# KiCad board default.kicad_pcb (continued)
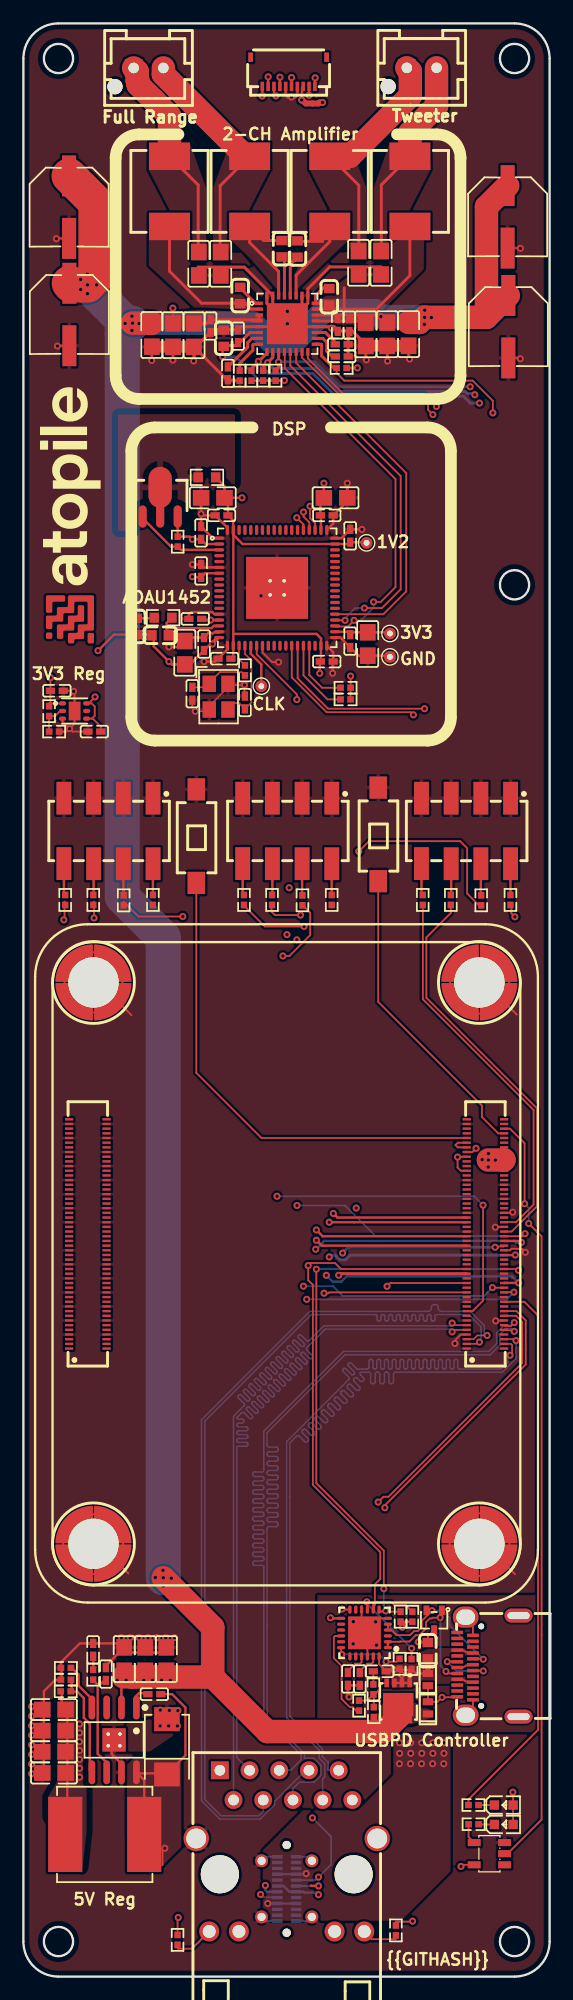
[diagram p0: board, top side]
## Routing (per net, layer and track width the routed paths; a pad name or vN(x,y) marks a point on that pad's centre or on a via; arc(x,y) is an arc through that point) (continued)
amp_i2s_sck: length 31
  Top w0.15: v1(27.51,115.96) 26.68,115.96 26.65,115.98 ; v1(29.16,117.01) 30.65,117.01 32.26,118.62 32.26,128.3 22.82,137.74 U1.13
  Bottom w0.15: v1(29.16,117.01) 28.36,117.01 27.51,116.16 v1(27.51,115.96)
amp_i2s_sd: length 31.3
  Top w0.15: 26.65,116.48 30.78,116.48 32.74,118.44 32.74,128.55 23.32,137.97 U1.14
amp_i2s_ws: length 30.9
  Top w0.15: v1(28.28,115.96) 27.75,115.43 26.7,115.43 26.65,115.48 ; U1.12 22.35,138.88 22.35,137.51 31.82,128.04 31.82,118.8 30.56,117.53 v1(29.95,117.53)
  Bottom w0.15: v1(28.28,115.96) 28.86,115.96 29.95,117.05 v1(29.95,117.53)
amp_mute: length 113.5
  Top w0.15: CN1.78 41.04,62.43 40.53,62.43 40.53,62.36 v1(40.34,62.36)
  Top w0.25: U1.10 21.32,138.43 21.04,138.15 ; 21.04,138.15 21.04,138.14 v1(20.88,137.98) ; 21.04,138.15 20.54,137.65 20.54,137.32
  In2.Cu w0.25: v1(38.6,135.24) 38.43,135.07 38.43,108.16 27.08,96.81 27.08,66.55 27.48,66.15 27.48,62.05 v1(27.3,61.86)
  Bottom w0.25: v1(27.3,61.86) 27.8,62.36 40.33,62.36 v1(40.34,62.36) ; v1(20.88,137.98) 21.38,137.48 24.9,137.48 26.85,135.53 37.79,135.53 37.96,135.35 38.44,135.35 38.47,135.38 v1(38.6,135.24)
amp_pdn: length 107.6
  Top w0.15: CN1.15 31.38,59.3 v1(31.1,59.03) ; R4.1 26.78,137.11 27.44,136.46 38.42,136.46 40.15,134.73 v1(40.15,133.7)
  Top w0.25: 26.57,137.51 25.5,138.57 25.5,139.53 25.47,139.57 U1.17 25.32,139.57
  In2.Cu w0.15: v1(31.1,59.03) 29.44,59.03 29.01,59.46 29.01,66.63 28.48,67.16 28.48,94.45 29.21,95.17 29.21,96.96 39.89,107.64 39.89,133.44 v1(40.15,133.7)
amp_warn: length 116
  Top w0.15: CN1.80 v1(42.07,61.7)
  Top w0.25: 21.82,138.06 v1(21.83,138.06) ; 21.82,138.06 U1.11 ; 21.82,138.06 21.82,137.62 21.57,137.37 21.57,137.33 21.59,137.32
  In2.Cu w0.25: v1(26.15,61.53) 27.08,62.46 27.08,65.98 26.68,66.38 26.68,96.98 38.03,108.33 38.03,135.76 v1(38.2,135.93)
  Bottom w0.25: v1(21.83,138.06) 24.89,138.06 27.02,135.93 v1(38.2,135.93) ; v1(26.15,61.53) 26.3,61.68 26.72,61.68 26.72,61.62 27.06,61.29 27.54,61.29 27.87,61.62 27.87,61.68 42.06,61.68 42.07,61.67 v1(42.07,61.7)
B5: length 45.6
  Top w0.15: v1(39.33,27.13) 39.29,27.18 USB1.B5 ; U20.5 U20.4 31.47,29.63 31.9,29.2 33.06,29.2 33.4,29.54 33.72,29.54 34.08,29.9 34.08,30.43 v1(34.94,31.29)
  In1.Cu w0.15: v1(39.33,27.13) 37.69,25.49 35.96,25.49 31.34,20.88 31.34,16.49 28.61,13.76 26.54,13.76 22.03,9.25 22.03,7.47 21.59,7.03 v1(20.28,7.03)
  Bottom w0.15: v1(39.33,27.13) 36.45,30.01 36.45,30.69 35.85,31.29 v1(34.94,31.29) ; v1(20.28,7.03) 20.53,6.78 21.68,6.78 U23.B5
BOOT: length 2.1
  Top w0.2: 9.56,23.1 9.56,23.92 9.88,24.23 10.68,24.23
boot_mode: length 26.3
  Top w0.15: CN1.54 40.61,72.1 39.21,73.5 39.21,74.47 30.34,83.34 SW1.1
bootstrap_capacitor-cathode: length 19.1
  Top w0.15: 11.89,9.53 11.89,10.78 v1(12.09,10.98)
  Top w0.2: D3.1 12.27,17.33 13.85,18.91 13.85,23.01 12.71,24.15 C20.2 ; 12.42,17.37 9.76,17.37 9.56,17.56 10.33,16.79 10.33,12.23
BST_Aneg_N: length 3.4
  Top w0.25: U1.29 22.32,146.79 C5.1
BST_Apos_P: length 2.2
  Top w0.25: U1.1 19.84,143.07 18.54,144.37 C6.1
BST_Bneg_N: length 3.5
  Top w0.25: C9.1 22.82,146.4 U1.28
BST_Bpos_P: length 2.1
  Top w0.25: U1.24 24.98,143.52 ; 24.98,143.52 24.98,143.66 ; 24.98,143.52 24.98,143.72 25.65,144.38 26.04,144.38
c1-net: length 1.5
  Top w0.2: R23.2 11.15,116.14 C50.1
CLKOUT: length 3.8
  Top w0.2: U24.23 19.45,113.1 20.35,112.2 TP1.1
cm5-anode-0: length 3.3
  Top w0.15: 13.19,2.39 14.42,2.39 RJ1.11
cm5-anode-1: length 3
  Top w0.15: RJ1.14 29.81,3.2 31.85,3.2
cm5-cathode: length 1.4
  Top w0.15: R7.1 38.95,13.01 D2.1
cm5-net: length 23.3
  In2.Cu w0.15: 16.8,8.75 16.97,8.58 16.97,3.29 18.41,1.85 26.51,1.85 28.07,3.41 28.07,8.58 28.24,8.75
COMP: length 9
  Top w0.2: 6.35,24.95 5.98,25.33 ; 6.35,24.95 6.35,19.06 7.02,18.39 7.02,17.56 ; 6.35,24.95 6.55,24.95 6.98,25.38
compensation_capacitors[0]-net: length 1.1
  Top w0.2: 5.98,26.19 5.98,27.28 5.95,27.31
connector-net: length 12.1
  In2.Cu w0.15: 22.52,3.75 20.62,3.75 19.59,4.78 19.59,10.22 20.62,11.25 22.52,11.25
debug_headers[0]-_2: length 2.7
  Top w0.2: R11.2 41.65,95.14 HDR1.2
debug_headers[0]-_4: length 2.7
  Top w0.2: R12.2 39.12,92.48 HDR1.4
debug_headers[0]-_6: length 2.7
  Top w0.2: R25.2 36.58,92.51 HDR1.6
debug_headers[0]-_8: length 2.7
  Top w0.2: R26.2 34.04,92.59 HDR1.8
debug_headers[1]-_2: length 2.7
  Top w0.2: R27.2 26.36,95.14 HDR2.2
debug_headers[1]-_4: length 2.7
  Top w0.2: R28.2 23.83,92.48 HDR2.4
debug_headers[1]-_6: length 2.7
  Top w0.2: R29.2 21.29,92.51 HDR2.6
debug_headers[1]-_8: length 2.7
  Top w0.2: HDR2.8 18.75,92.59 R30.2
debug_headers[2]-_2: length 2.7
  Top w0.2: HDR3.2 11.08,95.14 R31.2
debug_headers[2]-_4: length 2.7
  Top w0.2: R32.2 8.55,92.48 HDR3.4
debug_headers[2]-_6: length 2.7
  Top w0.2: R33.2 6.01,92.51 HDR3.6
debug_headers[2]-_8: length 2.7
  Top w0.2: R34.2 3.47,92.59 HDR3.8
DISCH: length 7.2
  Top w0.15: U20.9 29.42,32 v1(29.37,32.05) ; R14.2 33.19,28.07 v1(33.2,28.07)
  Bottom w0.15: v1(29.37,32.05) 29.37,31.9 33.2,28.07 v1(33.2,28.07)
dsp-net: length 3.6
  In1.Cu w0.15: 22.3,119.34 21.1,119.34 21.1,118.14 22.3,118.14
dsp_reset_disable: length 80.4
  Top w0.15: v1(40.11,58.91) 40.12,58.9 CN1.87 ; 19.95,113.78 19.95,113.06 23.38,109.63 v1(23.38,109.19)
  In2.Cu w0.15: v1(23.95,59.03) 24.75,58.23 24.75,57.69 24.44,57.38 24.01,57.38 22.27,59.12 22.27,67.9 22.72,68.35 22.72,87.57 21.71,88.57 21.71,93.83 22.66,94.78 22.66,98.58 23.61,99.53 23.61,108.97 v1(23.38,109.19)
  Bottom w0.15: v1(40.11,58.91) 39.41,58.21 27.31,58.21 26.49,59.03 v1(23.95,59.03)
ETH_LED_LINK: length 68.8
  Top w0.15: CN1.93 42.14,56.5 42.66,55.98 42.66,52.47 31.22,41.03 30.79,41.03 v1(30.34,40.57)
  In2.Cu w0.15: v1(30.34,40.57) 24.87,35.11 24.87,21.95 27.95,18.87 27.95,17.23 27.37,16.65 27.37,16.29 26.58,15.5 26.58,15.51 26.58,14.69 24.45,12.57 21,12.57 18.8,10.37 18.8,4.23 RJ1.12
ETH_LED_SPEED: length 64.8
  Top w0.15: v1(30.91,40.09) 30.91,40.29 42.96,52.34 42.96,56.11 42.16,56.9 CN1.92
  In2.Cu w0.15: RJ1.13 25.76,4.71 25.76,13.45 26.88,14.57 26.88,15.37 27.67,16.16 27.67,16.53 28.25,17.11 28.25,19 25.17,22.07 25.17,34.98 29.78,39.59 30.41,39.59 v1(30.91,40.09)
ETH_P0_N: length 79.6
  Top w0.13: v1(36.66,55.13) 36.84,55.3 CN1.5
  Bottom w0.13: 36.57,55.36 25.82,55.36 24.23,53.77 arc(24.19,53.68) 24.23,53.58 24.71,53.1 arc(24.75,53.01) 24.71,52.91 24.66,52.87 arc(24.57,52.83) 24.48,52.87 23.99,53.35 arc(23.9,53.39) 23.81,53.35 23.76,53.3 arc(23.72,53.21) 23.76,53.12 24.24,52.63 arc(24.28,52.54) 24.24,52.45 24.2,52.4 arc(24.1,52.36) 24.01,52.4 23.53,52.88 arc(23.43,52.92) 23.34,52.88 23.29,52.84 arc(23.26,52.74) 23.29,52.65 23.78,52.17 arc(23.81,52.07) 23.78,51.98 23.73,51.93 arc(23.64,51.89) 23.54,51.93 23.06,52.42 arc(22.97,52.45) 22.87,52.42 22.83,52.37 arc(22.79,52.28) 22.83,52.18 23.31,51.7 arc(23.35,51.61) 23.31,51.51 23.26,51.47 arc(23.17,51.43) 23.08,51.47 22.59,51.95 arc(22.5,51.99) 22.41,51.95 22.36,51.9 arc(22.32,51.81) 22.36,51.72 22.84,51.23 arc(22.88,51.14) 22.84,51.05 22.8,51 arc(22.7,50.96) 22.61,51 22.13,51.48 arc(22.03,51.52) 21.94,51.48 21.89,51.44 arc(21.86,51.34) 21.89,51.25 22.38,50.77 arc(22.41,50.67) 22.38,50.58 22.33,50.53 arc(22.24,50.49) 22.14,50.53 21.66,51.02 arc(21.57,51.05) 21.47,51.02 21.43,50.97 arc(21.39,50.88) 21.43,50.78 21.91,50.3 arc(21.95,50.21) 21.91,50.11 21.86,50.07 arc(21.77,50.03) 21.68,50.07 21.19,50.55 arc(21.1,50.59) 21.01,50.55 20.96,50.5 arc(20.92,50.41) 20.96,50.32 21.44,49.83 arc(21.48,49.74) 21.44,49.65 21.4,49.6 arc(21.3,49.56) 21.21,49.6 20.73,50.08 arc(20.63,50.12) 20.54,50.08 20.49,50.04 arc(20.45,49.94) 20.49,49.85 20.98,49.37 arc(21.01,49.27) 20.98,49.18 20.93,49.13 arc(20.84,49.09) 20.74,49.13 20.26,49.62 arc(20.17,49.65) 20.07,49.62 20.03,49.57 arc(19.99,49.48) 20.03,49.38 20.51,48.9 arc(20.55,48.81) 20.51,48.71 20.46,48.67 arc(20.37,48.63) 20.28,48.67 19.79,49.15 arc(19.7,49.19) 19.61,49.15 19.56,49.1 arc(19.52,49.01) 19.56,48.92 20.04,48.43 arc(20.08,48.34) 20.04,48.25 20,48.2 arc(19.9,48.16) 19.81,48.2 19.33,48.68 arc(19.23,48.72) 19.14,48.68 19.09,48.64 arc(19.05,48.54) 19.09,48.45 19.58,47.97 arc(19.61,47.87) 19.58,47.78 19.53,47.73 arc(19.44,47.69) 19.34,47.73 18.86,48.22 arc(18.77,48.25) 18.67,48.22 18.25,47.79 arc(18.29,47.7) 18.38,47.66 18.71,47.66 arc(18.81,47.62) 18.85,47.53 18.85,47.46 arc(18.81,47.37) 18.71,47.33 18.38,47.33 arc(18.29,47.29) 18.25,47.2 18.25,47.13 arc(18.29,47.04) 18.38,47 19.06,47 arc(19.16,46.96) 19.2,46.87 19.2,46.8 arc(19.16,46.71) 19.06,46.67 18.38,46.67 arc(18.29,46.63) 18.25,46.54 18.25,46.47 arc(18.29,46.38) 18.38,46.34 19.06,46.34 arc(19.16,46.3) 19.2,46.21 19.2,46.14 arc(19.16,46.05) 19.06,46.01 18.38,46.01 arc(18.29,45.97) 18.25,45.88 18.25,45.81 arc(18.29,45.72) 18.38,45.68 19.06,45.68 arc(19.16,45.64) 19.2,45.55 19.2,45.48 arc(19.16,45.39) 19.06,45.35 18.38,45.35 arc(18.29,45.31) 18.25,45.22 18.25,18.73 RJ1.P3 ; 36.57,55.36 36.66,55.27 v1(36.66,55.13) ; 36.57,55.36 36.62,55.36
ETH_P0_P: length 76.5
  Top w0.13: v1(36.67,55.88) 36.84,55.7 CN1.6
  Bottom w0.13: v1(36.67,55.88) 36.67,55.69 36.62,55.64 25.7,55.64 24.43,54.36 arc(24.33,54.32) 24.24,54.36 23.75,54.85 arc(23.66,54.89) 23.56,54.85 23.52,54.81 arc(23.48,54.71) 23.52,54.62 24.01,54.13 arc(24.04,54.04) 24.01,53.94 23.96,53.9 arc(23.87,53.86) 23.77,53.9 23.28,54.39 arc(23.19,54.42) 23.1,54.39 23.05,54.34 arc(23.01,54.25) 23.05,54.15 23.54,53.66 arc(23.58,53.57) 23.54,53.48 23.49,53.43 arc(23.4,53.39) 23.31,53.43 22.82,53.92 arc(22.72,53.96) 22.63,53.92 22.58,53.87 arc(22.54,53.78) 22.58,53.69 23.07,53.2 arc(23.11,53.1) 23.07,53.01 23.03,52.96 arc(22.93,52.92) 22.84,52.96 22.35,53.45 arc(22.26,53.49) 22.16,53.45 22.12,53.41 arc(22.08,53.31) 22.12,53.22 22.61,52.73 arc(22.64,52.64) 22.61,52.54 22.56,52.5 arc(22.46,52.46) 22.37,52.5 21.88,52.99 arc(21.79,53.02) 21.7,52.99 21.65,52.94 arc(21.61,52.85) 21.65,52.75 22.14,52.26 arc(22.18,52.17) 22.14,52.08 22.09,52.03 arc(22,51.99) 21.9,52.03 21.42,52.52 arc(21.32,52.56) 21.23,52.52 21.18,52.47 arc(21.14,52.38) 21.18,52.29 21.67,51.8 arc(21.71,51.7) 21.67,51.61 21.62,51.56 arc(21.53,51.52) 21.44,51.56 20.95,52.05 arc(20.86,52.09) 20.76,52.05 20.72,52.01 arc(20.68,51.91) 20.72,51.82 21.2,51.33 arc(21.24,51.24) 21.2,51.14 21.16,51.1 arc(21.06,51.06) 20.97,51.1 20.48,51.59 arc(20.39,51.62) 20.3,51.59 20.25,51.54 arc(20.21,51.45) 20.25,51.35 20.74,50.86 arc(20.78,50.77) 20.74,50.68 20.69,50.63 arc(20.6,50.59) 20.5,50.63 20.02,51.12 arc(19.92,51.16) 19.83,51.12 19.78,51.07 arc(19.74,50.98) 19.78,50.89 20.27,50.4 arc(20.31,50.3) 20.27,50.21 20.22,50.16 arc(20.13,50.12) 20.04,50.16 19.55,50.65 arc(19.46,50.69) 19.36,50.65 19.32,50.61 arc(19.28,50.51) 19.32,50.42 19.8,49.93 arc(19.84,49.84) 19.8,49.74 19.76,49.7 arc(19.66,49.66) 19.57,49.7 19.08,50.19 arc(18.99,50.22) 18.9,50.19 18.85,50.14 arc(18.81,50.05) 18.85,49.95 19.34,49.46 arc(19.38,49.37) 19.34,49.28 19.29,49.23 arc(19.2,49.19) 19.1,49.23 18.62,49.72 arc(18.52,49.76) 18.43,49.72 18.38,49.67 arc(18.34,49.58) 18.38,49.49 18.87,49 arc(18.91,48.9) 18.87,48.81 17.97,47.91 RJ1.P2
ETH_P1_N: length 76.5
  Top w0.13: v1(39.66,54.82) 38.81,54.82 38.49,54.5 CN1.3
  Bottom w0.13: v1(39.66,54.82) 39.6,54.88 39.42,54.88 39.42,55.67 38.21,56.88 35.73,56.88 arc(35.56,56.95) 35.49,57.12 35.49,57.22 arc(35.42,57.39) 35.25,57.46 35.13,57.46 arc(34.96,57.39) 34.89,57.22 34.89,57.12 arc(34.82,56.95) 34.65,56.88 24.5,56.88 15.23,47.61 15.23,15.03 16.79,13.47 20.25,13.47 20.9,14.12 20.91,14.12 21.49,14.7 21.49,14.99 24.14,17.64 RJ1.P7
ETH_P1_P: length 76.5
  Top w0.13: v1(39,54.25) 38.85,54.1 CN1.2
  Bottom w0.13: v1(39,54.25) 39.14,54.39 39.14,55.55 38.09,56.6 35.33,56.6 arc(35.23,56.56) 35.2,56.47 35.2,56.18 arc(35.16,56.08) 35.06,56.05 35,56.05 arc(34.9,56.08) 34.87,56.18 34.87,56.47 arc(34.83,56.56) 34.73,56.6 34.67,56.6 arc(34.57,56.56) 34.54,56.47 34.54,56.18 arc(34.5,56.08) 34.4,56.05 34.34,56.05 arc(34.24,56.08) 34.21,56.18 34.21,56.47 arc(34.17,56.56) 34.07,56.6 34.01,56.6 arc(33.91,56.56) 33.88,56.47 33.88,56.18 arc(33.84,56.08) 33.74,56.05 33.68,56.05 arc(33.58,56.08) 33.55,56.18 33.55,56.47 arc(33.51,56.56) 33.41,56.6 33.35,56.6 arc(33.25,56.56) 33.22,56.47 33.22,56.18 arc(33.18,56.08) 33.08,56.05 33.02,56.05 arc(32.92,56.08) 32.89,56.18 32.89,56.47 arc(32.85,56.56) 32.75,56.6 32.69,56.6 arc(32.59,56.56) 32.56,56.47 32.56,56.18 arc(32.52,56.08) 32.42,56.05 32.36,56.05 arc(32.26,56.08) 32.23,56.18 32.23,56.47 arc(32.19,56.56) 32.09,56.6 32.03,56.6 arc(31.93,56.56) 31.9,56.47 31.9,56.18 arc(31.86,56.08) 31.76,56.05 31.7,56.05 arc(31.6,56.08) 31.57,56.18 31.57,56.47 arc(31.53,56.56) 31.43,56.6 31.37,56.6 arc(31.27,56.56) 31.24,56.47 31.24,56.18 arc(31.2,56.08) 31.1,56.05 31.04,56.05 arc(30.94,56.08) 30.91,56.18 30.91,56.47 arc(30.87,56.56) 30.77,56.6 30.71,56.6 arc(30.61,56.56) 30.58,56.47 30.58,56.18 arc(30.54,56.08) 30.44,56.05 30.38,56.05 arc(30.28,56.08) 30.25,56.18 30.25,56.47 arc(30.21,56.56) 30.11,56.6 24.62,56.6 15.51,47.49 15.51,15.15 16.91,13.75 20.13,13.75 20.51,14.13 RJ1.P4
ETH_P2_N: length 76.5
  Top w0.13: CN1.96 41.11,55.3 41.15,55.27 41.73,55.27 41.73,55.17 v1(41.98,55.17)
  Bottom w0.13: v1(41.98,55.17) 41.74,55.4 41.21,55.4 40.75,54.94 40.75,54 39.92,53.17 27.5,53.17 20.84,46.51 20.84,45.44 arc(20.89,45.32) 21,45.28 21.62,45.28 arc(21.74,45.23) 21.78,45.12 21.78,45.04 arc(21.74,44.92) 21.62,44.88 21,44.88 arc(20.89,44.83) 20.84,44.72 20.84,44.64 arc(20.89,44.52) 21,44.48 21.62,44.48 arc(21.74,44.43) 21.78,44.32 21.78,44.24 arc(21.74,44.12) 21.62,44.08 21,44.08 arc(20.89,44.03) 20.84,43.92 20.84,43.84 arc(20.89,43.72) 21,43.68 21.62,43.68 arc(21.74,43.63) 21.78,43.52 21.78,43.44 arc(21.74,43.32) 21.62,43.28 21,43.28 arc(20.89,43.23) 20.84,43.12 20.84,43.04 arc(20.89,42.92) 21,42.88 21.62,42.88 arc(21.74,42.83) 21.78,42.72 21.78,42.64 arc(21.74,42.52) 21.62,42.48 21,42.48 arc(20.89,42.43) 20.84,42.32 20.84,42.24 arc(20.89,42.12) 21,42.08 21.62,42.08 arc(21.74,42.03) 21.78,41.92 21.78,41.84 arc(21.74,41.72) 21.62,41.68 21,41.68 arc(20.89,41.63) 20.84,41.52 20.84,41.44 arc(20.89,41.32) 21,41.28 21.62,41.28 arc(21.74,41.23) 21.78,41.12 21.78,41.04 arc(21.74,40.92) 21.62,40.88 21,40.88 arc(20.89,40.83) 20.84,40.72 20.84,40.64 arc(20.89,40.52) 21,40.48 21.62,40.48 arc(21.74,40.43) 21.78,40.32 21.78,40.24 arc(21.74,40.12) 21.62,40.08 21,40.08 arc(20.89,40.03) 20.84,39.92 20.84,39.84 arc(20.89,39.72) 21,39.68 21.62,39.68 arc(21.74,39.63) 21.78,39.52 21.78,39.44 arc(21.74,39.32) 21.62,39.28 21,39.28 arc(20.89,39.23) 20.84,39.12 20.84,39.04 arc(20.89,38.92) 21,38.88 21.62,38.88 arc(21.74,38.83) 21.78,38.72 21.78,38.64 arc(21.74,38.52) 21.62,38.48 21,38.48 arc(20.89,38.43) 20.84,38.32 20.84,22.26 24.03,19.07 24.03,18.67 24.84,18.67 25.45,18.06 25.45,17.22 24.84,16.61 23.58,16.61 23.05,16.08 RJ1.P6
ETH_P2_P: length 76.5
  Top w0.13: v1(41.98,55.92) 41.68,55.61 41.68,55.62 41.19,55.62 CN1.95
  Bottom w0.13: RJ1.P5 22.85,17.64 23.75,18.54 23.75,18.95 20.56,22.14 20.56,35.01 arc(20.52,35.11) 20.41,35.16 19.76,35.16 arc(19.66,35.2) 19.61,35.31 19.61,35.39 arc(19.66,35.49) 19.76,35.54 20.41,35.54 arc(20.52,35.58) 20.56,35.69 20.56,35.77 arc(20.52,35.87) 20.41,35.92 19.76,35.92 arc(19.66,35.96) 19.61,36.07 19.61,36.15 arc(19.66,36.25) 19.76,36.3 20.41,36.3 arc(20.52,36.34) 20.56,36.45 20.56,36.53 arc(20.52,36.63) 20.41,36.68 19.76,36.68 arc(19.66,36.72) 19.61,36.83 19.61,36.91 arc(19.66,37.01) 19.76,37.06 20.41,37.06 arc(20.52,37.1) 20.56,37.21 20.56,37.29 arc(20.52,37.39) 20.41,37.44 19.76,37.44 arc(19.66,37.48) 19.61,37.59 19.61,37.67 arc(19.66,37.77) 19.76,37.82 20.41,37.82 arc(20.52,37.86) 20.56,37.97 20.56,38.05 arc(20.52,38.15) 20.41,38.2 19.76,38.2 arc(19.66,38.24) 19.61,38.35 19.61,38.43 arc(19.66,38.53) 19.76,38.58 20.41,38.58 arc(20.52,38.62) 20.56,38.73 20.56,38.81 arc(20.52,38.91) 20.41,38.96 19.76,38.96 arc(19.66,39) 19.61,39.11 19.61,39.19 arc(19.66,39.29) 19.76,39.34 20.41,39.34 arc(20.52,39.38) 20.56,39.49 20.56,39.57 arc(20.52,39.67) 20.41,39.72 19.76,39.72 arc(19.66,39.76) 19.61,39.87 19.61,39.95 arc(19.66,40.05) 19.76,40.1 20.41,40.1 arc(20.52,40.14) 20.56,40.25 20.56,40.33 arc(20.52,40.43) 20.41,40.48 19.76,40.48 arc(19.66,40.52) 19.61,40.63 19.61,40.71 arc(19.66,40.81) 19.76,40.86 20.41,40.86 arc(20.52,40.9) 20.56,41.01 20.56,41.09 arc(20.52,41.19) 20.41,41.24 19.76,41.24 arc(19.66,41.28) 19.61,41.39 19.61,41.47 arc(19.66,41.57) 19.76,41.62 20.41,41.62 arc(20.52,41.66) 20.56,41.77 20.56,41.85 arc(20.52,41.95) 20.41,42 19.76,42 arc(19.66,42.04) 19.61,42.15 19.61,42.23 arc(19.66,42.33) 19.76,42.38 20.41,42.38 arc(20.52,42.42) 20.56,42.53 20.56,42.61 arc(20.52,42.71) 20.41,42.76 19.76,42.76 arc(19.66,42.8) 19.61,42.91 19.61,42.99 arc(19.66,43.09) 19.76,43.14 20.41,43.14 arc(20.52,43.18) 20.56,43.29 20.56,46.63 27.38,53.45 39.8,53.45 40.47,54.12 40.47,55.06 41.09,55.68 41.74,55.68 v1(41.98,55.92)
ETH_P3_N: length 76.5
  Top w0.13: v1(42.13,54.38) 42.01,54.5 CN1.98
  Bottom w0.13: v1(42.13,54.38) 42.13,54.38 42.13,52.85 40.95,51.67 31.8,51.67 arc(31.69,51.62) 31.65,51.51 31.65,50.85 arc(31.6,50.74) 31.49,50.69 31.41,50.69 arc(31.3,50.74) 31.26,50.85 31.26,51.51 arc(31.21,51.62) 31.1,51.67 31.02,51.67 arc(30.91,51.62) 30.87,51.51 30.87,50.85 arc(30.82,50.74) 30.71,50.69 30.63,50.69 arc(30.52,50.74) 30.48,50.85 30.48,51.51 arc(30.43,51.62) 30.32,51.67 30.24,51.67 arc(30.13,51.62) 30.09,51.51 30.09,50.85 arc(30.04,50.74) 29.93,50.69 29.85,50.69 arc(29.74,50.74) 29.7,50.85 29.7,51.51 arc(29.65,51.62) 29.54,51.67 28.83,51.67 arc(28.78,51.56) 28.83,51.45 29.08,51.19 arc(29.13,51.08) 29.08,50.97 29.03,50.92 arc(28.92,50.87) 28.81,50.92 28.55,51.17 arc(28.44,51.22) 28.33,51.17 28.28,51.12 arc(28.23,51.01) 28.28,50.9 28.75,50.43 arc(28.79,50.32) 28.75,50.21 28.69,50.15 arc(28.58,50.11) 28.47,50.15 28,50.62 arc(27.89,50.67) 27.78,50.62 27.72,50.57 arc(27.68,50.46) 27.72,50.35 28.19,49.88 arc(28.24,49.77) 28.19,49.66 28.14,49.6 arc(28.03,49.56) 27.92,49.6 27.45,50.07 arc(27.34,50.12) 27.23,50.07 27.17,50.02 arc(27.13,49.91) 27.17,49.79 27.64,49.33 arc(27.69,49.22) 27.64,49.11 27.59,49.05 arc(27.48,49) 27.37,49.05 26.9,49.52 arc(26.79,49.56) 26.68,49.52 26.62,49.46 arc(26.58,49.35) 26.62,49.24 27.09,48.77 arc(27.14,48.66) 27.09,48.55 27.04,48.5 arc(26.93,48.45) 26.82,48.5 26.35,48.97 arc(26.24,49.01) 26.13,48.97 26.07,48.91 arc(26.02,48.8) 26.07,48.69 26.54,48.22 arc(26.59,48.11) 26.54,48 26.48,47.95 arc(26.37,47.9) 26.26,47.95 25.79,48.42 arc(25.68,48.46) 25.57,48.42 25.52,48.36 arc(25.47,48.25) 25.52,48.14 25.99,47.67 arc(26.03,47.56) 25.99,47.45 25.93,47.4 arc(25.82,47.35) 25.71,47.4 25.24,47.86 arc(25.13,47.91) 25.02,47.86 24.97,47.81 arc(24.92,47.7) 24.97,47.59 25.44,47.12 arc(25.48,47.01) 25.44,46.9 25.38,46.84 arc(25.27,46.8) 25.16,46.84 24.69,47.31 arc(24.58,47.36) 24.47,47.31 24.42,47.26 arc(24.37,47.15) 24.42,47.04 24.88,46.57 arc(24.93,46.46) 24.88,46.35 24.83,46.29 arc(24.72,46.25) 24.61,46.29 24.14,46.76 arc(24.03,46.81) 23.92,46.76 23.86,46.71 arc(23.82,46.6) 23.86,46.49 24.33,46.02 arc(24.38,45.91) 24.33,45.8 24.28,45.74 arc(24.17,45.69) 24.06,45.74 23.59,46.21 arc(23.48,46.26) 23.37,46.21 22.79,45.63 22.79,22.26 25.57,19.48 25.57,18.81 26.06,18.32 26.06,17.64 RJ1.P9
ETH_P3_P: length 76.5
  Top w0.13: CN1.99 41.68,54.1 41.79,53.99 41.79,53.3 v1(41.62,53.12)
  Bottom w0.13: v1(41.62,53.12) 41.41,52.92 41.41,52.53 40.83,51.95 37.28,51.95 arc(37.19,51.99) 37.15,52.08 37.15,52.64 arc(37.11,52.73) 37.02,52.77 36.95,52.77 arc(36.86,52.73) 36.82,52.64 36.82,52.08 arc(36.78,51.99) 36.69,51.95 36.62,51.95 arc(36.53,51.99) 36.49,52.08 36.49,52.64 arc(36.45,52.73) 36.36,52.77 36.29,52.77 arc(36.2,52.73) 36.16,52.64 36.16,52.08 arc(36.12,51.99) 36.03,51.95 35.96,51.95 arc(35.87,51.99) 35.83,52.08 35.83,52.64 arc(35.79,52.73) 35.7,52.77 35.63,52.77 arc(35.54,52.73) 35.5,52.64 35.5,52.08 arc(35.46,51.99) 35.37,51.95 35.3,51.95 arc(35.21,51.99) 35.17,52.08 35.17,52.64 arc(35.13,52.73) 35.04,52.77 34.97,52.77 arc(34.88,52.73) 34.84,52.64 34.84,52.08 arc(34.8,51.99) 34.71,51.95 34.64,51.95 arc(34.55,51.99) 34.51,52.08 34.51,52.64 arc(34.47,52.73) 34.38,52.77 34.31,52.77 arc(34.22,52.73) 34.18,52.64 34.18,52.08 arc(34.14,51.99) 34.05,51.95 33.98,51.95 arc(33.89,51.99) 33.85,52.08 33.85,52.64 arc(33.81,52.73) 33.72,52.77 33.65,52.77 arc(33.56,52.73) 33.52,52.64 33.52,52.08 arc(33.48,51.99) 33.39,51.95 33.32,51.95 arc(33.23,51.99) 33.19,52.08 33.19,52.64 arc(33.15,52.73) 33.06,52.77 32.99,52.77 arc(32.9,52.73) 32.86,52.64 32.86,52.08 arc(32.82,51.99) 32.73,51.95 32.66,51.95 arc(32.57,51.99) 32.53,52.08 32.53,52.64 arc(32.49,52.73) 32.4,52.77 32.33,52.77 arc(32.24,52.73) 32.2,52.64 32.2,52.08 arc(32.16,51.99) 32.07,51.95 32,51.95 arc(31.91,51.99) 31.87,52.08 31.87,52.64 arc(31.83,52.73) 31.74,52.77 31.67,52.77 arc(31.58,52.73) 31.54,52.64 31.54,52.08 arc(31.5,51.99) 31.41,51.95 31.34,51.95 arc(31.25,51.99) 31.21,52.08 31.21,52.64 arc(31.17,52.73) 31.08,52.77 31.01,52.77 arc(30.92,52.73) 30.88,52.64 30.88,52.08 arc(30.84,51.99) 30.75,51.95 30.68,51.95 arc(30.59,51.99) 30.55,52.08 30.55,52.64 arc(30.51,52.73) 30.42,52.77 30.35,52.77 arc(30.26,52.73) 30.22,52.64 30.22,52.08 arc(30.18,51.99) 30.09,51.95 30.02,51.95 arc(29.93,51.99) 29.89,52.08 29.89,52.64 arc(29.85,52.73) 29.76,52.77 29.69,52.77 arc(29.6,52.73) 29.56,52.64 29.56,52.08 arc(29.52,51.99) 29.43,51.95 28.71,51.95 arc(28.62,51.91) 28.53,51.95 28.03,52.45 arc(27.93,52.49) 27.84,52.45 27.79,52.4 arc(27.76,52.31) 27.79,52.21 28.29,51.72 arc(28.33,51.62) 28.29,51.53 28.25,51.48 arc(28.15,51.44) 28.06,51.48 27.56,51.98 arc(27.47,52.02) 27.37,51.98 27.33,51.93 arc(27.29,51.84) 27.33,51.75 27.83,51.25 arc(27.86,51.16) 27.83,51.06 26.38,49.61 22.51,45.75 22.51,22.14 25.29,19.36 25.29,18.69 25.78,18.2 25.78,17.08 25.59,16.89 RJ1.P8
eth_sync_out: length 55.2
  Top w0.15: 23.74,91.75 24.53,90.96 24.53,89.04 22.75,87.27 v1(22.19,87.27) ; CN1.9 38.41,56.9 39.31,57.8 v1(39.31,65.96)
  In2.Cu w0.15: v1(22.19,87.27) 22.34,87.41 22.42,87.41 22.42,68.52 21.69,67.79 v1(21.69,66.72)
  Bottom w0.15: v1(21.69,66.72) 38.55,66.72 v1(39.31,65.96)
feedback_divider-output-VDIV_OUTPUT-0: length 2.7
  Top w0.15: U25.2 3.14,108.21 2.7,107.77 R36.2 R35.1
feedback_divider-output-VDIV_OUTPUT-1: length 8.8
  Top w0.2: 4.13,25.36 4.13,24.36 4.62,24.36 5.17,23.81 5.17,22.13 5.51,21.78 5.51,21.78 5.68,21.61 5.68,17.64 5.75,17.56
footprint-net-2: length 1.1
  Top w0.15: R20.2 29.93,26.1 C33.1
footprint-net-3: length 7.4
  In2.Cu w0.15: 39.15,29.95 39.85,29.24 39.85,23.85 39.15,23.15
gate: length 4.3
  Top w0.15: R19.1 29.4,23.6 R20.1 ; Q1.4 30.64,25.11 30.48,24.95 30.48,24.58 30.02,24.13 R20.1 ; R20.1 29.96,24.09 R18.1
GVDD: length 2.8
  Top w0.25: C4.1 26.4,138.52 25.95,138.97 25.95,139.72 25.6,140.07 U1.18
i2c-SCL: length 173.2
  Top w0.15: v1(34.3,108.41) 26.05,108.41 23.45,111.01 23.45,113.78 ; 31.22,31.21 30.59,31.21 U20.7 ; 31.22,31.21 31.16,31.27 v1(30.98,31.27) ; 31.22,31.21 R15.1 ; U1.16 24.32,138.35 27.36,135.32 34.25,135.32 v1(35.32,134.25) ; v1(42.34,60.39) 42.23,60.5 CN1.83 ; v1(24,89.79) 20.64,89.79 18.69,91.75 ; v1(25.05,60.48) 25.05,42.19 30.82,36.42 v1(30.82,33.16)
  In2.Cu w0.15: 34.73,108.52 35.54,109.34 35.54,134.03 v1(35.32,134.25) ; 34.73,108.52 34.62,108.41 v1(34.3,108.41) ; 34.73,108.52 24.62,98.41 24.22,98.02 ; 24.22,98.02 24.22,91.08 ; 24.22,98.02 24.22,64.75 23.82,64.35 23.82,62.06 25.03,60.86 25.03,60.5 v1(25.05,60.48)
  Bottom w0.15: v1(25.05,60.48) 25.06,60.49 42.24,60.49 v1(42.34,60.39) ; v1(30.98,31.27) 30.82,31.43 v1(30.82,33.16)
i2c-SCLK: length 160.6
  Top w0.15: v1(33.35,107.88) 33.13,108.11 25.93,108.11 22.95,111.08 22.95,113.78 ; v1(35.02,133.55) 34.61,133.96 34.61,134.54 34.13,135.02 27.23,135.02 23.82,138.43 U1.15 ; 21.21,91.75 21.21,91.06 21.51,90.76 v1(23.7,90.76) ; 30.05,31.74 30.05,33.53 30.52,34 30.52,36.3 26.57,40.24 26.56,40.24 24.75,42.05 24.75,59.15 24.35,59.55 v1(24.35,60.79) 24.57,61.01 26.65,61.01 27.16,60.5 CN1.18 ; U20.8 29.92,31.88 30.09,32.05 31.44,32.05 31.72,31.77 32.7,31.77 R16.1
  In2.Cu w0.15: v1(24.35,60.79) 24.35,61.09 23.52,61.92 23.52,64.47 23.91,64.86 ; 23.92,64.87 23.91,64.86 ; 23.92,64.87 23.91,64.86 ; 23.92,64.87 23.92,88.85 23.47,89.3 23.47,90.53 v1(23.7,90.76) 23.92,90.98 23.92,98.14 33.35,107.57 v1(33.35,107.88) 33.35,108.2 34.08,108.93 34.52,108.93 34.62,108.84 35.24,109.46 35.24,133.33 v1(35.02,133.55) ; 23.91,64.86 23.89,64.83
i2cs[1]-SCL: length 119
  Top w0.2: FPC1.9 v1(24.43,160.85) ; CN1.28 28.27,64.5 v1(26.15,64.5)
  In2.Cu w0.2: v1(24.43,160.85) 24.43,156.84 37.3,143.96 37.3,108.63 25.95,97.28 25.95,64.7 v1(26.15,64.5)
i2cs[1]-SDA: length 119.4
  Top w0.2: CN1.29 26.85,64.9 v1(26.5,65.25) ; FPC1.10 24.93,162.33 v1(24.95,162.35)
  In2.Cu w0.2: v1(26.5,65.25) 26.31,65.45 26.31,97.14 37.24,108.07 37.65,108.48 37.65,144.11 25.03,156.73 25.03,162.27 v1(24.95,162.35)
i2s_ins[0]-SCK: length 107.8
  Top w0.15: v1(42.9,63.52) 42.68,63.3 CN1.76 ; 3.52,91.92 3.52,90.41 v1(3.46,90.35) ; v1(24.51,125.72) 24.51,124.7 24.95,124.26 24.95,123.69
  In1.Cu w0.15: v1(3.46,90.35) 4.15,89.66 21.12,89.66 22.22,88.56 23.3,88.56 v1(23.38,88.65)
  In2.Cu w0.15: v1(23.4,65.93) 23.62,66.15 23.62,88.41 v1(23.38,88.65) 23.29,88.65 23.07,88.87 23.07,89.31 23.06,89.31 23.06,91.52 23.62,92.08 23.62,97.92 23.62,98.26 24.51,99.15 v1(24.51,125.72)
  Bottom w0.15: v1(42.9,63.52) 42.69,63.31 30.12,63.31 27.5,65.93 v1(23.4,65.93)
